# Altium PCB DSP_FPGA.PcbDoc (part 1 of 7)
Units mm, origin at the board's own origin, x right, y up, seen from the top; angles counter-clockwise.
Board outline 243.59 x 170.13 mm, 2 copper layers (Top Layer, Bottom Layer); 649 components, 606 nets, 2327 pads, 2753 vias.
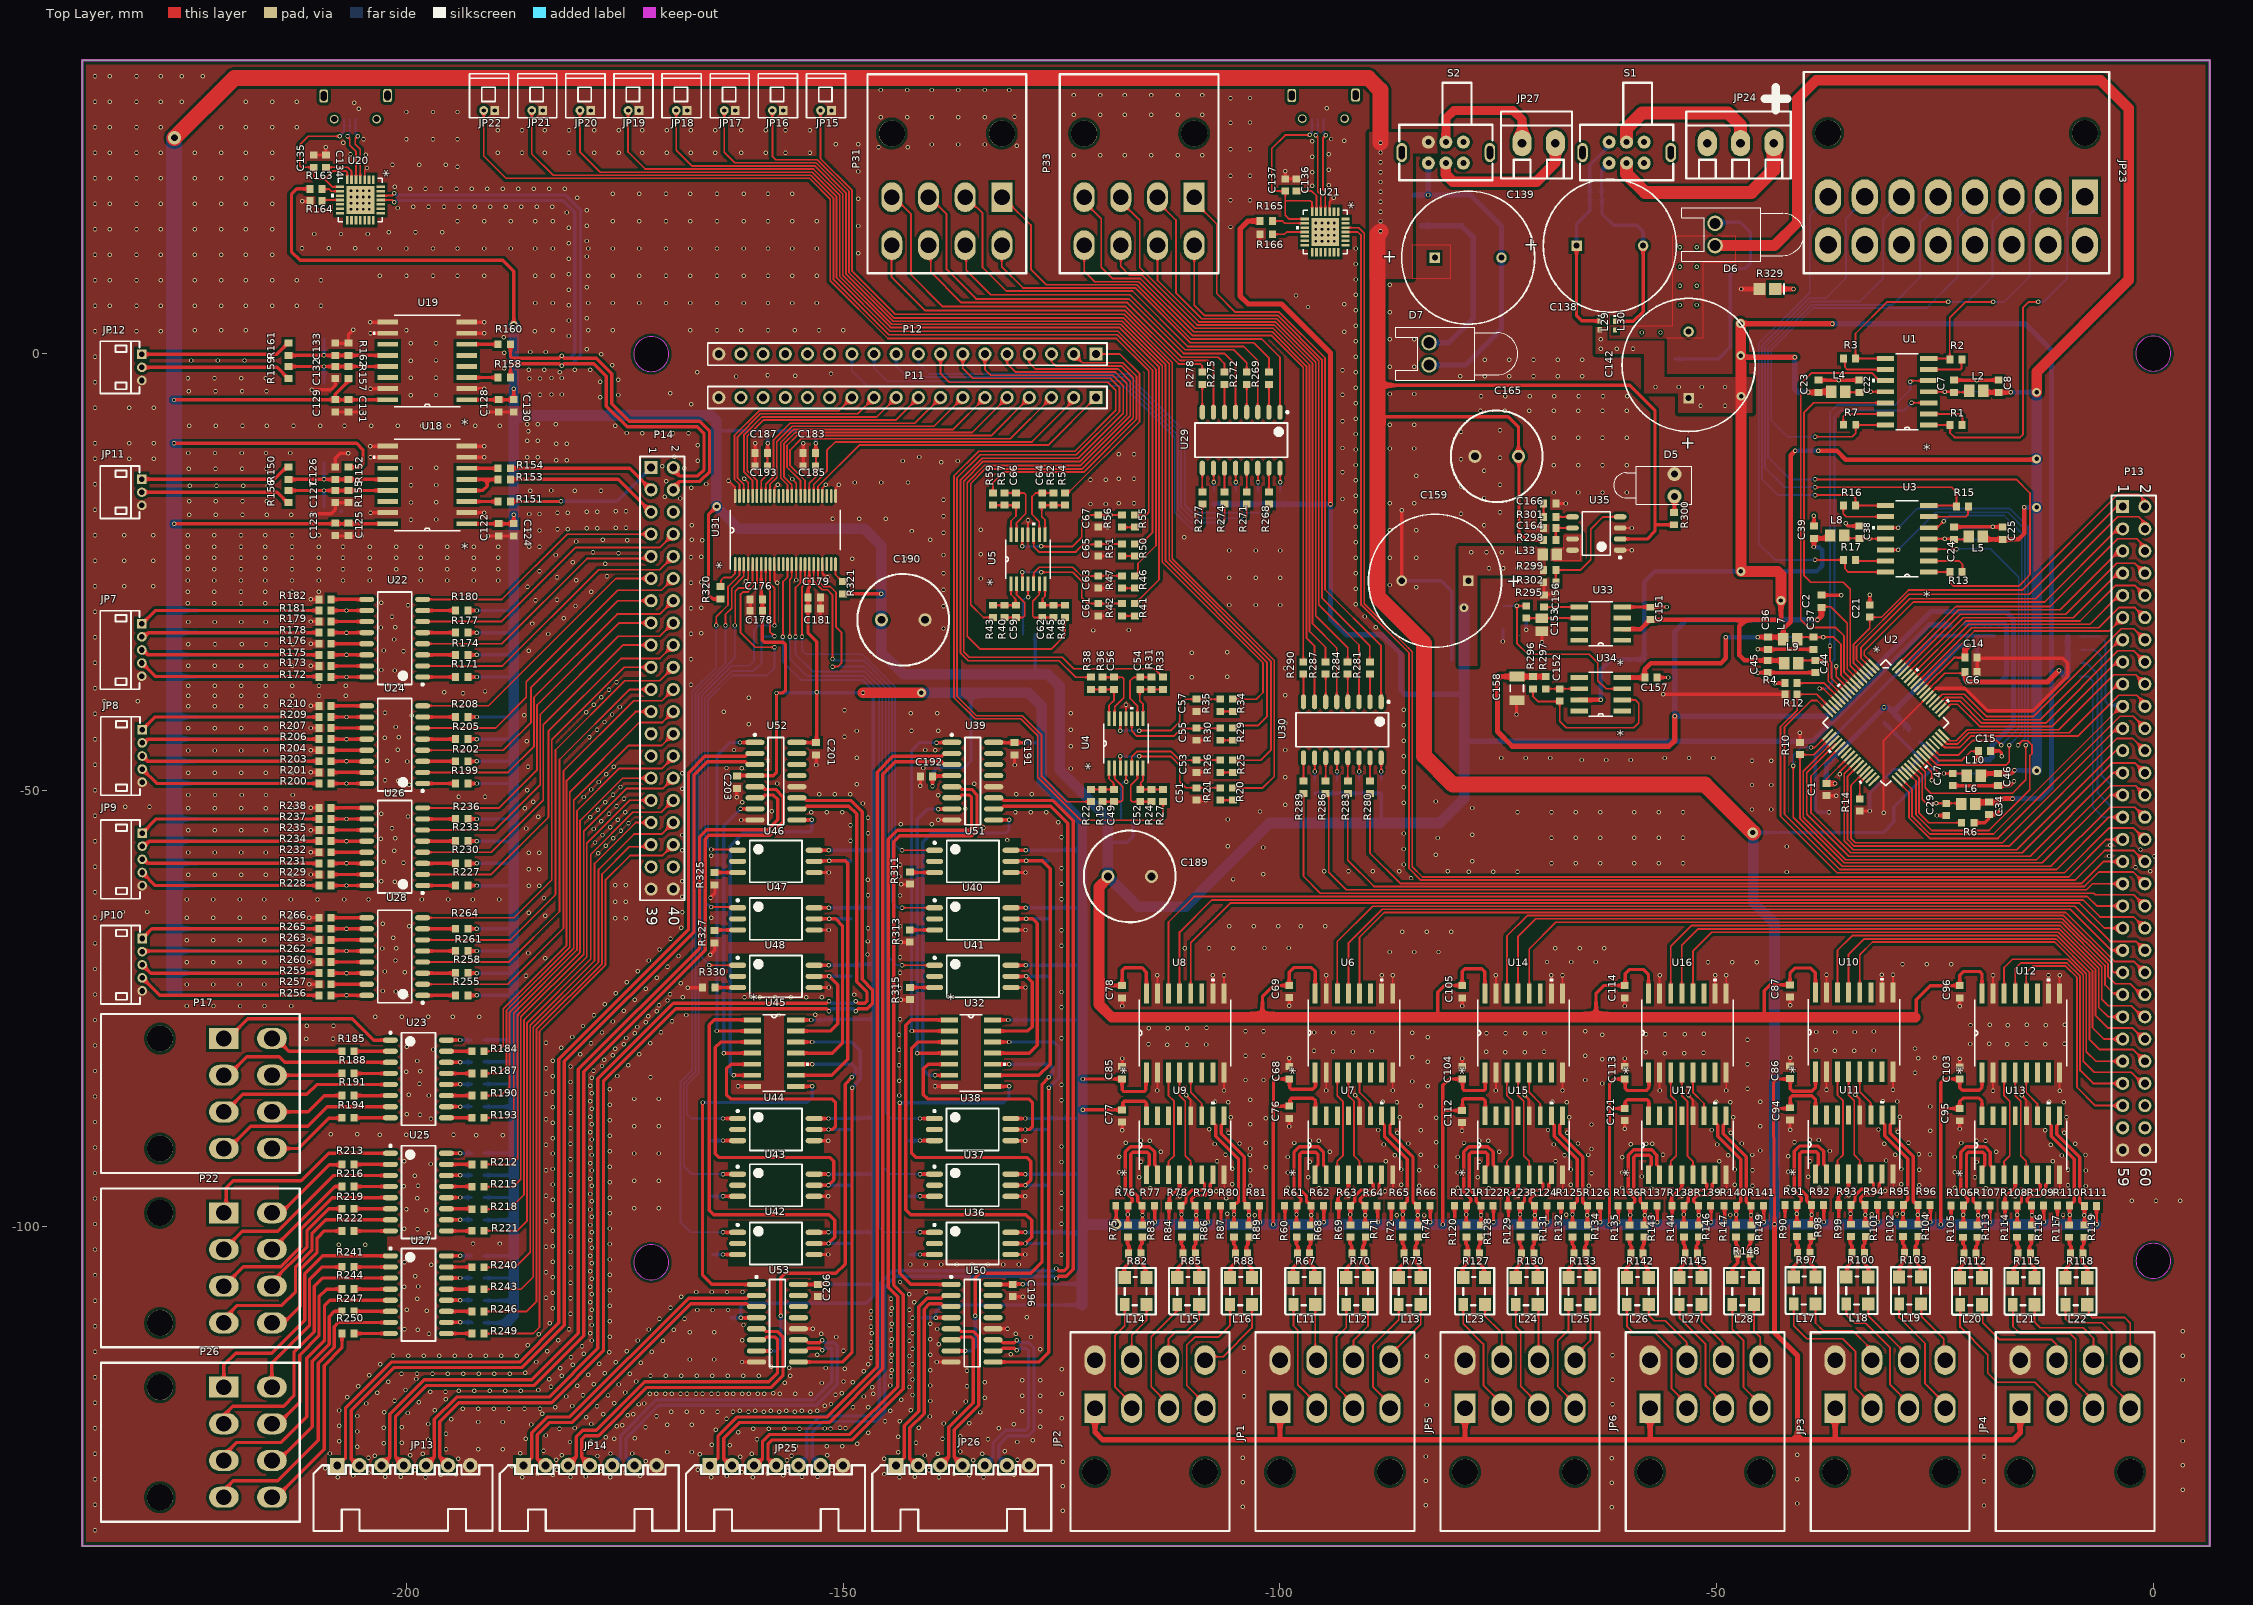
[diagram p0: Top Layer view]
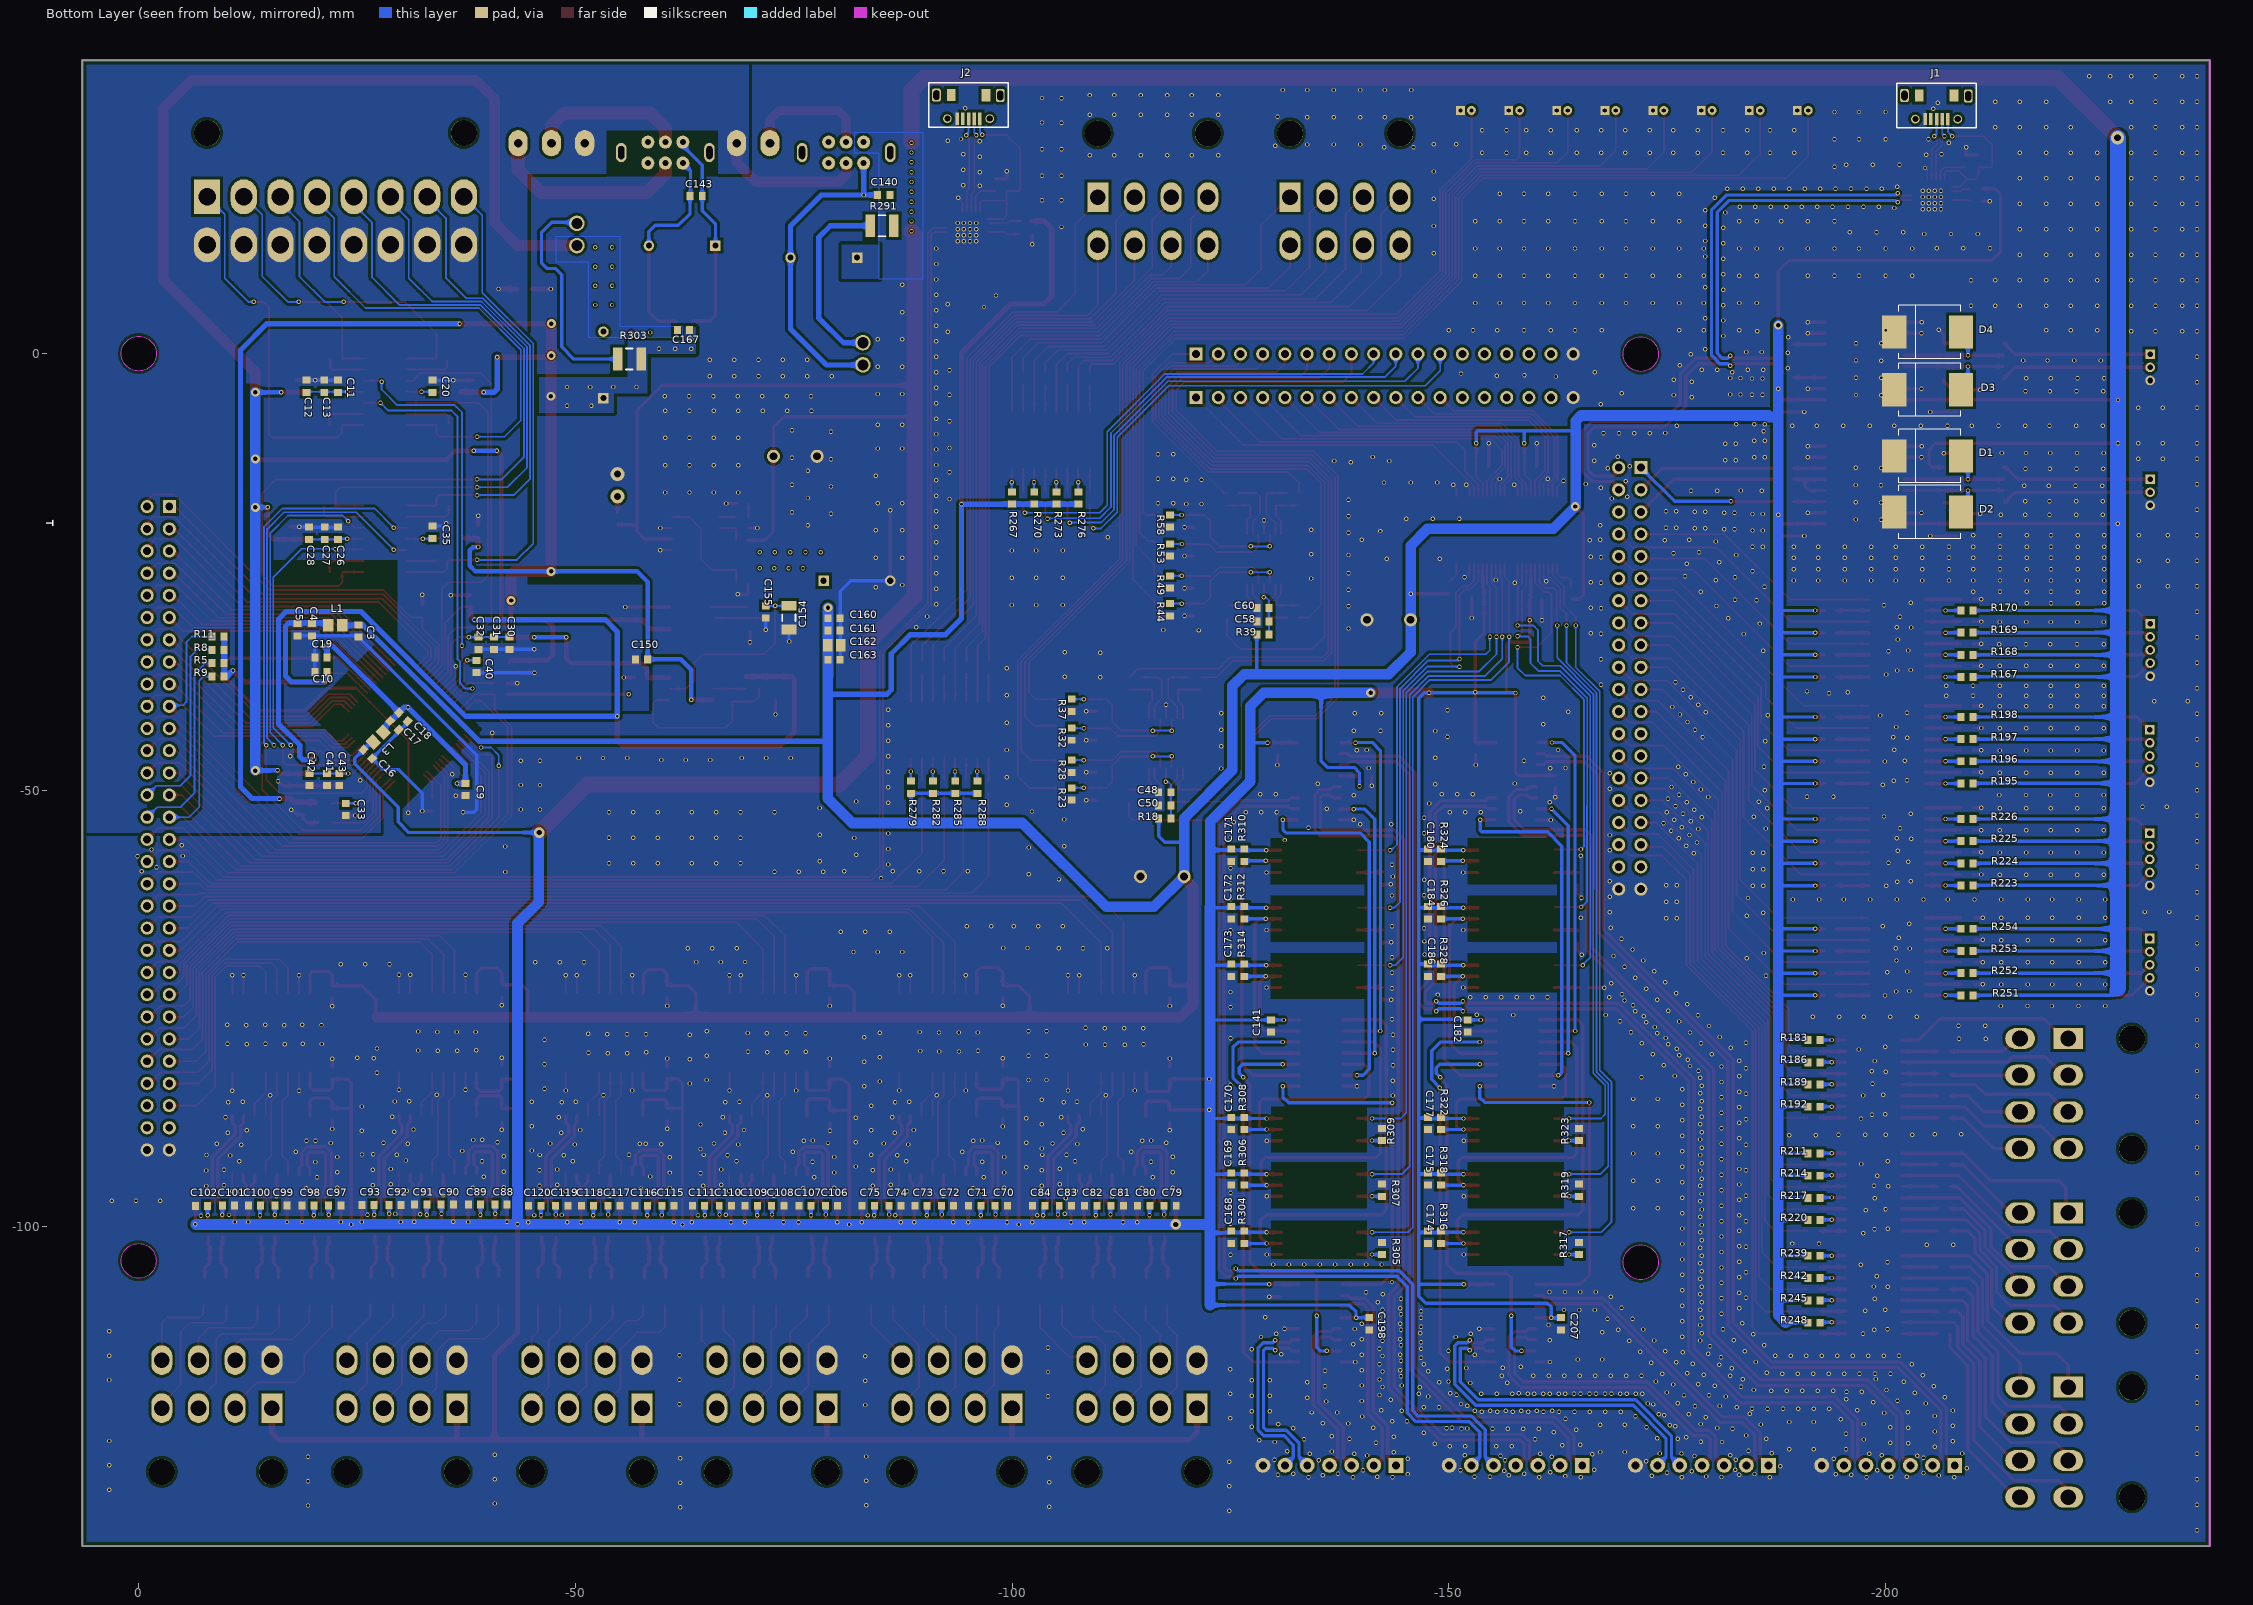
[diagram p1: Bottom Layer view, seen from below]

## Layer stack, top to bottom
Top Solder: solder mask 0.0102, Solder Resist, Dk 3.5
Top Layer: signal copper 0.0356
Dielectric 1: dielectric 0.32, FR-4, Dk 4.8
Bottom Layer: signal copper 0.0356
Bottom Solder: solder mask 0.0102, Solder Resist, Dk 3.5

## Board outline
-237.134,-136.55 -237.134,33.579 6.452,33.579 6.452,-136.55
cut-out: -173.996,-104.051 ccw(c-171.996,-104.051) -171.996,-106.051 ccw(c-171.996,-104.051) -169.996,-104.051 ccw(c-171.996,-104.051) -171.996,-102.051 ccw(c-171.996,-104.051)
cut-out: -173.996,-0.051 ccw(c-171.996,-0.051) -171.996,-2.051 ccw(c-171.996,-0.051) -169.996,-0.051 ccw(c-171.996,-0.051) -171.996,1.949 ccw(c-171.996,-0.051)
cut-out: -2,0 ccw(c0,0) 0,-2 ccw(c0,0) 2,0 ccw(c0,0) 0,2 ccw(c0,0)
cut-out: -1.996,-103.886 ccw(c0.004,-103.886) 0.004,-105.886 ccw(c0.004,-103.886) 2.004,-103.886 ccw(c0.004,-103.886) 0.004,-101.886 ccw(c0.004,-103.886)

## Design rules (kind name [scope] priority, off if disabled: settings)
Clearance poly_via [InPoly vs isvia] p1: gap=0.152 ignorepadtopadclearanceinfootprint=FALSE
Clearance inpoly-all [InPoly] p2: gap=0.305 ignorepadtopadclearanceinfootprint=FALSE
Clearance [All] p3: gap=0.152 ignorepadtopadclearanceinfootprint=FALSE except(0: Arc-Hole Track-Hole SMDPad-Hole THPad-Hole Via-Hole Fill-Hole Poly-Hole Region-Hole Text-Hole)
ComponentClearance [All] p1: gap=0 collisioncheckmode=3 verticalgap=0 showdistances=FALSE
DiffPairsRouting DiffPair_DiffPairsRouting [InDifferentialPairClass('PWM_PULSE')] p1: maxlimit=0.254 minlimit=0.254 mostfreqgap=0.254 toplayer_minwidth=0.203 toplayer_maxwidth=0.381 toplayer_prefwidth=0.381 bottomlayer_minwidth=0.203 bottomlayer_maxwidth=0.381 bottomlayer_prefwidth=0.381 maxuncoupledlength=12.7
HoleSize [All] p1: absolutevalues=TRUE maxlimit=5.08 minlimit=0.025 maxpercent=80.000 minpercent=20.000
MatchedLengths [InDifferentialPair ('PWM_PULSE_1')] p1: tolerance=25.4 checknetsindiffpair=FALSE checkdiffpairvsdiffpair=TRUE checkxsignals=TRUE checkothers=TRUE
MatchedLengths DiffPair_MatchedLengths [InDifferentialPairClass('PWM_PULSE')] p2: tolerance=25.4 checknetsindiffpair=FALSE checkdiffpairvsdiffpair=TRUE checkxsignals=TRUE checkothers=TRUE
MatchedLengths DiffPair_MatchedLengths_1 [InDifferentialPairClass('PWM')] p3: tolerance=25.4 checknetsindiffpair=FALSE checkdiffpairvsdiffpair=TRUE checkxsignals=TRUE checkothers=TRUE
MinimumSolderMaskSliver [All] p1: minsoldermaskwidth=0
PolygonConnect [All] p1: connectstyle=Direct reliefconductorwidth=0.457 reliefentries=4 polygonreliefangle="90 Angle" airgapwidth=0.254
RoutingVias [All] p1: holewidth=0.3 width=0.5 viastyle="Through Hole" minholewidth=0.3 minwidth=0.5 maxholewidth=3.048 maxwidth=3.048
SilkToSilkClearance [All] p1: silktosilkclearance=0
SilkToSolderMaskClearance [IsPad] p1: minsilkscreentomaskgap=0 clearancetoexposedcopper=TRUE
SolderMaskExpansion [All] p1: expansion=0.102
Width AND [InNetClass('AGDN')] p1: maxlimit=2.54 minlimit=0.203 preferedwidth=0.381
Width Width_1 [All] p2: maxlimit=2.54 minlimit=0.203 preferedwidth=0.203
24 further rules are at their usual default settings.

## Classes and differential pairs
differential pair class PWM_WIDTH: PWM_WIDTH_1 PWM_WIDTH_2 PWM_WIDTH_3 PWM_WIDTH_4 PWM_WIDTH_5 PWM_WIDTH_6
differential pair class PWM_PULSE: PWM_PULSE_1 PWM_PULSE_2 PWM_PULSE_3 PWM_PULSE_4 PWM_PULSE_5 PWM_PULSE_6
component class Enconder_Part3: C106 C107 C109 C111 C112 C114 C116 C117 C120 C121 C192 L23 L25 L26 L27 L28 R123 R124 R125 R126 R127 R128 R129 R130 R131 R132 R133 R134 R135 R136 R137 R138 R139 R140 R141 R142 R143 R144 R145 R146 R147 R148 R149 U16 U17
component class ADC: C48 C49 C50 C51 C52 C53 C54 C55 C56 C57 C58 C59 C60 C61 C62 C63 C64 C65 C66 C67 JP15 JP16 JP17 JP18 JP19 JP20 JP21 JP22 R18 R19 R20 R21 R22 R23 R24 R25 R26 R27 R28 R29 R30 R31 R32 R33 R34 R35 R36 R37 R38 R39 R40 R41 R42 R43 R44 R45 R46 R47 R48 R49 R50 R51 R52 R53 R54 R55 R56 R57 R58 R59 U4 U5
net class D[0..15]: D0 D1 D2 D3 D4 D5 D6 D7 D8 D9 D10 D11 D12 D13 D14 D15
net class A[0..4]: A0 A1 A2 A3 A4
component class PWM_WIDTH: C174 C175 C176 C177 C178 C179 C180 C181 C182 C183 C184 C185 C186 C187 R120 R316 R317 R318 R319 R320 R321 R322 R323 R324 R325 R326 R327 U15 U31 U42 U43 U44 U45 U46 U47 U48
component class PWM_PULSE: C141 C168 C169 C170 C171 C172 C173 C191 R304 R305 R306 R307 R308 R309 R310 R311 R312 R313 R314 R315 U32 U36 U37 U38 U39 U40 U41 U50 U51
component class Power: C138 C139 C140 C142 C143 C150 C151 C152 C153 C154 C155 C156 C157 C158 C159 C160 C161 C162 C163 C164 C165 C166 C167 C189 C190 D5 D6 D7 JP24 JP27 L29 L30 R121 R291 R295 R296 R297 R298 R299 R300 R301 R302 R303 S1 S2 U33 U34 U35
component class Interface_DSP_FPGA: P11 P12 P13 P14
component class Header: JP1 JP2 JP3 JP4 JP5 JP6 JP7 JP8 JP9 JP10 JP13 JP14 JP23 JP25 JP26 P17 P22 P26 P31 P33
component class FPGA_GPIO_Part1: R279 R280 R281 R282 R283 R284 R285 R286 R287 R288 R289 R290 U30
component class Communication_Part1: C122 C123 C124 C125 C126 C127 C128 C129 C130 C131 C132 C133 D1 D2 D3 D4 JP11 JP12 R150 R151 R152 R153 R154 R155 R156 R157 R158 R159 R160 R161 R162 U18 U19
component class Enconder_Part2: C86 C87 C88 C89 C90 C91 C92 C93 C94 C95 C96 C97 C98 C99 C100 C101 C102 C103 L17 L18 L19 L20 L21 L22 R90 R91 R92 R93 R94 R95 R96 R97 R98 R99 R100 R101 R102 R103 R104 R105 R106 R107 R108 R109 R110 R111 R112 R113 R114 R115 R116 R117 R118 R119 U10 U11 U12 U13
component class Enconder_Part1: C68 C69 C70 C71 C72 C73 C74 C75 C76 C77 C78 C79 C80 C81 C82 C83 C84 C85 L11 L12 L13 L14 L15 L16 R60 R61 R62 R63 R64 R65 R66 R67 R68 R69 R70 R71 R72 R73 R74 R75 R76 R77 R78 R79 R80 R81 R82 R83 R84 R85 R86 R87 R88 R89 U6 U7 U8 U9
component class DSP_GPIO_Part4: R251 R252 R253 R254 R255 R256 R257 R258 R259 R260 R261 R262 R263 R264 R265 R266 R267 R268 R269 R270 R271 R272 R273 R274 R275 R276 R277 R278 U28 U29
component class DSP_GPIO_Part3: R223 R224 R225 R226 R227 R228 R229 R230 R231 R232 R233 R234 R235 R236 R237 R238 R239 R240 R241 R242 R243 R244 R245 R246 R247 R248 R249 R250 U26 U27
component class DSP_GPIO_Part2: R195 R196 R197 R198 R199 R200 R201 R202 R203 R204 R205 R206 R207 R208 R209 R210 R211 R212 R213 R214 R215 R216 R217 R218 R219 R220 R221 R222 U24 U25
component class DSP_GPIO_Part1: R167 R168 R169 R170 R171 R172 R173 R174 R175 R176 R177 R178 R179 R180 R181 R182 R183 R184 R185 R186 R187 R188 R189 R190 R191 R192 R193 R194 U22 U23
component class DAC: C1 C2 C3 C4 C5 C6 C7 C8 C9 C10 C11 C12 C13 C14 C15 C16 C17 C18 C19 C20 C21 C22 C23 C24 C25 C26 C27 C28 C29 C30 C31 C32 C33 C34 C35 C36 C37 C38 C39 C40 C41 C42 C43 C44 C45 C46 C47 L1 L2 L3 L4 L5 L6 L7 L8 L9 L10 R1 R2 R3 R4 R5 R6 R7 R8 R9 R10 R11 R12 R13 R14 R15 R16 R17 U1 U2 U3
component class Communication_Part2: C134 C135 C136 C137 J1 J2 R163 R164 R165 R166 U20 U21
differential pair PWM_WIDTH_6: +PWM_WIDTH_6+ -PWM_WIDTH_6-
differential pair PWM_WIDTH_5: +PWM_WIDTH_5+ -PWM_WIDTH_5-
differential pair PWM_WIDTH_4: +PWM_WIDTH_4+ -PWM_WIDTH_4-
differential pair PWM_WIDTH_3: +PWM_WIDTH_3+ -PWM_WIDTH_3-
differential pair PWM_WIDTH_2: +PWM_WIDTH_2+ -PWM_WIDTH_2-
differential pair PWM_WIDTH_1: +PWM_WIDTH_1+ -PWM_WIDTH_1-
differential pair PWM_PULSE_6: +PWM_PULSE_6+ -PWM_PULSE_6-
differential pair PWM_PULSE_5: +PWM_PULSE_5+ -PWM_PULSE_5-
differential pair PWM_PULSE_4: +PWM_PULSE_4+ -PWM_PULSE_4-
differential pair PWM_PULSE_3: +PWM_PULSE_3+ -PWM_PULSE_3-
differential pair PWM_PULSE_2: +PWM_PULSE_2+ -PWM_PULSE_2-
differential pair PWM_PULSE_1: +PWM_PULSE_1+ -PWM_PULSE_1-
differential pair FPGA_Uart: +FPGA_Uart_P -FPGA_Uart_N
differential pair En6_Z: +En6_Z_P -En6_Z_N
differential pair En6_B: +En6_B_P -En6_B_N
differential pair En6_A: +En6_A_P -En6_A_N
differential pair En5_Z: +En5_Z_P -En5_Z_N
differential pair En5_B: +En5_B_P -En5_B_N
differential pair En5_A: +En5_A_P -En5_A_N
differential pair En4_Z: +En4_Z_P -En4_Z_N
differential pair En4_B: +En4_B_P -En4_B_N
differential pair En4_A: +En4_A_P -En4_A_N
differential pair En3_Z: +En3_Z_P -En3_Z_N
differential pair En3_B: +En3_B_P -En3_B_N
differential pair En3_A: +En3_A_P -En3_A_N
differential pair En2_Z: +En2_Z_P -En2_Z_N
differential pair En2_B: +En2_B_P -En2_B_N
differential pair En2_A: +En2_A_P -En2_A_N
differential pair En1_Z: +En1_Z_P -En1_Z_N
differential pair En1_B: +En1_B_P -En1_B_N
differential pair En1_A: +En1_A_P -En1_A_N
differential pair DSP_Uart: +DSP_Uart_P -DSP_Uart_N
differential pair CAN: +CAN_P -CAN_N

## Components (designator, comment, footprint, x,y, rotation, side; value= is the part's Value field where it differs from the comment)
C1 "Cap" 1608[0603] -37.417,-49.924 r270 top value=0.1uF
C2 "Cap" 1608[0603] -37.998,-28.346 r270 top value=1uF
C3 "Cap" 1608[0603] -25.179,-31.75 r90 bottom value=10uF
C4 "Cap" 1608[0603] -19.845,-31.623 r90 bottom value=10uF
C5 "Cap" 1608[0603] -18.194,-31.623 r90 bottom value=1uF
C6 "Cap" 1608[0603] -20.874,-36.462 r180 top value=10uF
C7 "Cap" 1608[0603] -22.818,-3.734 r90 top value=10uF
C8 "Cap" 1608[0603] -17.695,-3.734 r90 top value=10uF
C9 "Cap" 1608[0603] -37.417,-49.924 r90 bottom value=0.1uF
C10 "Cap" 1608[0603] -20.874,-36.462 r0 bottom value=1uF
C11 "Cap" 1608[0603] -22.818,-3.734 r90 bottom value=1uF
C12 "Cap" 1608[0603] -19.219,-3.734 r90 bottom value=1uF
C13 "Cap" 1608[0603] -21.251,-3.734 r90 bottom value=1uF
C14 "Cap" 1608[0603] -20.874,-34.811 r0 top value=0.1uF
C15 "Cap" 1608[0603] -19.329,-45.491 r180 top value=1uF
C16 "Cap" 1608[0603] -26.241,-45.86 r45 bottom value=10uF
C17 "Cap" 1608[0603] -29.286,-42.57 r45 bottom value=10uF
C18 "Cap" 1608[0603] -30.302,-41.605 r45 bottom value=1uF
C19 "Cap" 1608[0603] -20.874,-34.811 r180 bottom value=0.1uF
C20 "Cap" 1608[0603] -33.655,-3.734 r90 bottom value=1uF
C21 "Cap" 1608[0603] -32.464,-29.477 r90 top value=0.1uF
C22 "Cap" 1608[0603] -33.655,-3.734 r90 top value=10uF
C23 "Cap" 1608[0603] -38.354,-3.734 r90 top value=10uF
C24 "Cap" 1608[0603] -22.822,-20.574 r90 top value=10uF
C25 "Cap" 1608[0603] -17.234,-20.574 r90 top value=10uF
C26 "Cap" 1608[0603] -22.822,-20.574 r90 bottom value=1uF
C27 "Cap" 1608[0603] -21.298,-20.574 r90 bottom value=1uF
C28 "Cap" 1608[0603] -19.52,-20.574 r90 bottom value=1uF
C29 "Cap" 1608[0603] -23.711,-52.197 r270 top value=1uF
C30 "Cap" 1608[0603] -42.454,-33.16 r270 bottom value=1uF
C31 "Cap" 1608[0603] -40.676,-33.16 r270 bottom value=1uF
C32 "Cap" 1608[0603] -38.898,-33.163 r270 bottom value=1uF
C33 "Cap" 1608[0603] -23.711,-52.197 r270 bottom value=10uF
C34 "Cap" 1608[0603] -18.796,-52.07 r270 top value=10uF
C35 "Cap" 1608[0603] -33.655,-20.447 r90 bottom value=1uF
C36 "Cap" 1608[0603] -44.105,-33.163 r270 top value=10uF
C37 "Cap" 1608[0603] -38.898,-33.163 r270 top value=10uF
C38 "Cap" 1608[0603] -33.655,-20.447 r90 top value=10uF
C39 "Cap" 1608[0603] -38.862,-20.447 r90 top value=10uF
C40 "Cap" 1608[0603] -38.687,-35.827 r270 bottom value=1uF
C41 "Cap" 1608[0603] -21.575,-48.781 r270 bottom value=1uF
C42 "Cap" 1608[0603] -19.543,-48.781 r270 bottom value=1uF
C43 "Cap" 1608[0603] -22.972,-48.781 r270 bottom value=1uF
C44 "Cap" 1608[0603] -38.687,-35.827 r270 top value=10uF
C45 "Cap" 1608[0603] -44.148,-35.827 r270 top value=10uF
C46 "Cap" 1608[0603] -17.765,-48.781 r270 top value=10uF
C47 "Cap" 1608[0603] -22.972,-48.781 r270 top value=10uF
C48 "Cap" 1608[0603] -117.5,-50.227 r0 bottom value=0.1uF
C49 "Cap" 1608[0603] -118.999,-50.608 r90 top value=200pF
C50 "Cap" 1608[0603] -117.5,-51.751 r0 bottom value=0.01uF
C51 "Cap" 1608[0603] -109.576,-50.43 r90 top value=0.1uF
C52 "Cap" 1608[0603] -116.002,-50.608 r90 top value=200pF
C53 "Cap" 1608[0603] -109.576,-47.255 r90 top value=0.1uF
C54 "Cap" 1608[0603] -116.002,-37.756 r270 top value=200pF
C55 "Cap" 1608[0603] -109.576,-43.572 r90 top value=0.1uF
C56 "Cap" 1608[0603] -118.999,-37.756 r270 top value=200pF
C57 "Cap" 1608[0603] -109.576,-40.27 r90 top value=0.1uF
C58 "Cap" 1608[0603] -128.727,-30.658 r0 bottom value=0.1uF
C59 "Cap" 1608[0603] -130.226,-29.515 r90 top value=200pF
C60 "Cap" 1608[0603] -128.727,-29.134 r0 bottom value=0.01uF
C61 "Cap" 1608[0603] -120.802,-29.337 r90 top value=0.1uF
C62 "Cap" 1608[0603] -127.229,-29.515 r90 top value=200pF
C63 "Cap" 1608[0603] -120.802,-26.162 r90 top value=0.1uF
C64 "Cap" 1608[0603] -127.229,-16.662 r270 top value=200pF
C65 "Cap" 1608[0603] -120.802,-22.479 r90 top value=0.1uF
C66 "Cap" 1608[0603] -130.226,-16.662 r270 top value=200pF
C67 "Cap" 1608[0603] -120.802,-19.177 r90 top value=0.1uF
C68 "Cap" 1608[0603] -98.946,-82.342 r270 top value=0.1uF
C69 "Cap" 1608[0603] -98.946,-73.047 r90 top value=0.1uF
C70 "Cap" 1608[0603] -98.775,-97.574 r0 bottom value=10uF
C71 "Cap" 1608[0603] -95.728,-97.574 r180 bottom value=10uF
C72 "Cap" 1608[0603] -92.614,-97.574 r0 bottom value=10uF
C73 "Cap" 1608[0603] -89.573,-97.574 r180 bottom value=10uF
C74 "Cap" 1608[0603] -86.608,-97.574 r0 bottom value=10uF
C75 "Cap" 1608[0603] -83.528,-97.574 r180 bottom value=10uF
C76 "Cap" 1608[0603] -98.946,-86.859 r270 top value=10uF
C77 "Cap" 1608[0603] -118.072,-87.287 r90 top value=0.1uF
C78 "Cap" 1608[0603] -118.072,-73.063 r90 top value=0.1uF
C79 "Cap" 1608[0603] -118.105,-97.574 r0 bottom value=10uF
C80 "Cap" 1608[0603] -115.093,-97.574 r180 bottom value=10uF
C81 "Cap" 1608[0603] -112.052,-97.574 r0 bottom value=10uF
C82 "Cap" 1608[0603] -109.004,-97.574 r180 bottom value=10uF
C83 "Cap" 1608[0603] -106.109,-97.574 r0 bottom value=10uF
C84 "Cap" 1608[0603] -103.06,-97.574 r180 bottom value=10uF
C85 "Cap" 1608[0603] -118.072,-82.358 r90 top value=10uF
C86 "Cap" 1608[0603] -41.593,-82.282 r270 top value=0.1uF
C87 "Cap" 1608[0603] -41.593,-72.987 r90 top value=0.1uF
C88 "Cap" 1608[0603] -41.499,-97.447 r0 bottom value=10uF
C89 "Cap" 1608[0603] -38.451,-97.447 r180 bottom value=10uF
C90 "Cap" 1608[0603] -35.337,-97.447 r0 bottom value=10uF
C91 "Cap" 1608[0603] -32.297,-97.447 r180 bottom value=10uF
C92 "Cap" 1608[0603] -29.35,-97.472 r0 bottom value=10uF
C93 "Cap" 1608[0603] -26.251,-97.473 r180 bottom value=10uF
C94 "Cap" 1608[0603] -41.593,-87.054 r270 top value=10uF
C95 "Cap" 1608[0603] -22.162,-87.142 r90 top value=0.1uF
C96 "Cap" 1608[0603] -22.161,-73.076 r90 top value=0.1uF
C97 "Cap" 1608[0603] -22.448,-97.561 r0 bottom value=10uF
C98 "Cap" 1608[0603] -19.4,-97.561 r180 bottom value=10uF
C99 "Cap" 1608[0603] -16.287,-97.561 r0 bottom value=10uF
C100 "Cap" 1608[0603] -13.246,-97.561 r180 bottom value=10uF
C101 "Cap" 1608[0603] -10.281,-97.561 r0 bottom value=10uF
C102 "Cap" 1608[0603] -7.201,-97.587 r180 bottom value=10uF
C103 "Cap" 1608[0603] -22.161,-82.371 r90 top value=10uF
C104 "Cap" 1608[0603] -79.134,-82.358 r270 top
C105 "Cap" 1608[0603] -79.134,-73.063 r90 top value=0.1uF
C106 "Cap" 1608[0603] -79.344,-97.574 r0 bottom value=10uF
C107 "Cap" 1608[0603] -76.296,-97.574 r180 bottom value=10uF
C108 "Cap" 1608[0603] -73.183,-97.574 r0 bottom value=10uF
C109 "Cap" 1608[0603] -70.142,-97.574 r180 bottom value=10uF
C110 "Cap" 1608[0603] -67.177,-97.574 r0 bottom value=0.1uF
C111 "Cap" 1608[0603] -64.097,-97.574 r180 bottom value=10uF
C112 "Cap" 1608[0603] -79.159,-87.363 r270 top value=10uF
C113 "Cap" 1608[0603] -60.515,-82.358 r270 top value=10uF
C114 "Cap" 1608[0603] -60.515,-73.063 r90 top value=0.1uF
C115 "Cap" 1608[0603] -60.599,-97.574 r0 bottom value=10uF
C116 "Cap" 1608[0603] -57.551,-97.574 r180 bottom value=10uF
C117 "Cap" 1608[0603] -54.437,-97.574 r0 bottom value=10uF
C118 "Cap" 1608[0603] -51.397,-97.574 r180 bottom value=10uF
C119 "Cap" 1608[0603] -48.431,-97.574 r0 bottom value=10uF
C120 "Cap" 1608[0603] -45.352,-97.574 r180 bottom value=10uF
C121 "Cap" 1608[0603] -60.515,-87.13 r270 top value=10uF
C122 "Cap" 1608[0603] -189.459,-20.182 r90 top value=10uF
C123 "Cap" 1608[0603] -208.178,-20.117 r90 top value=10uF
C124 "Cap" 1608[0603] -187.731,-20.182 r90 top value=0.1uF
C125 "Cap" 1608[0603] -206.654,-20.117 r90 top value=0.1uF
C126 "Cap" 1608[0603] -208.178,-13.702 r90 top value=22PF
C127 "Cap" 1608[0603] -208.178,-16.372 r270 top value=22PF
C128 "Cap" 1608[0603] -189.459,-5.983 r90 top value=10uF
C129 "Cap" 1608[0603] -208.178,-5.983 r90 top value=10uF
C130 "Cap" 1608[0603] -187.731,-5.983 r90 top value=0.1uF
C131 "Cap" 1608[0603] -206.654,-5.983 r90 top value=0.1uF
C132 "Cap" 1608[0603] -208.178,-2.173 r270 top value=1nF
C133 "Cap" 1608[0603] -208.178,0.497 r90 top value=1nF
C134 "Cap" 1608[0603] -209.245,22.034 r90 top value=1uF
C135 "Cap" 1608[0603] -210.642,22.034 r90 top value=1uF
C136 "Cap" 1608[0603] -98.12,19.304 r90 top value=1uF
C137 "Cap" 1608[0603] -99.39,19.304 r90 top value=1uF
C138 "Cap Pol1" RB7.6-15 -62.23,12.357 r180 top value=100uF
C139 "Cap Pol1" RB7.6-15 -78.448,10.986 r180 top value=100uF